# KiCad board impeller18.kicad_pcb (continued)
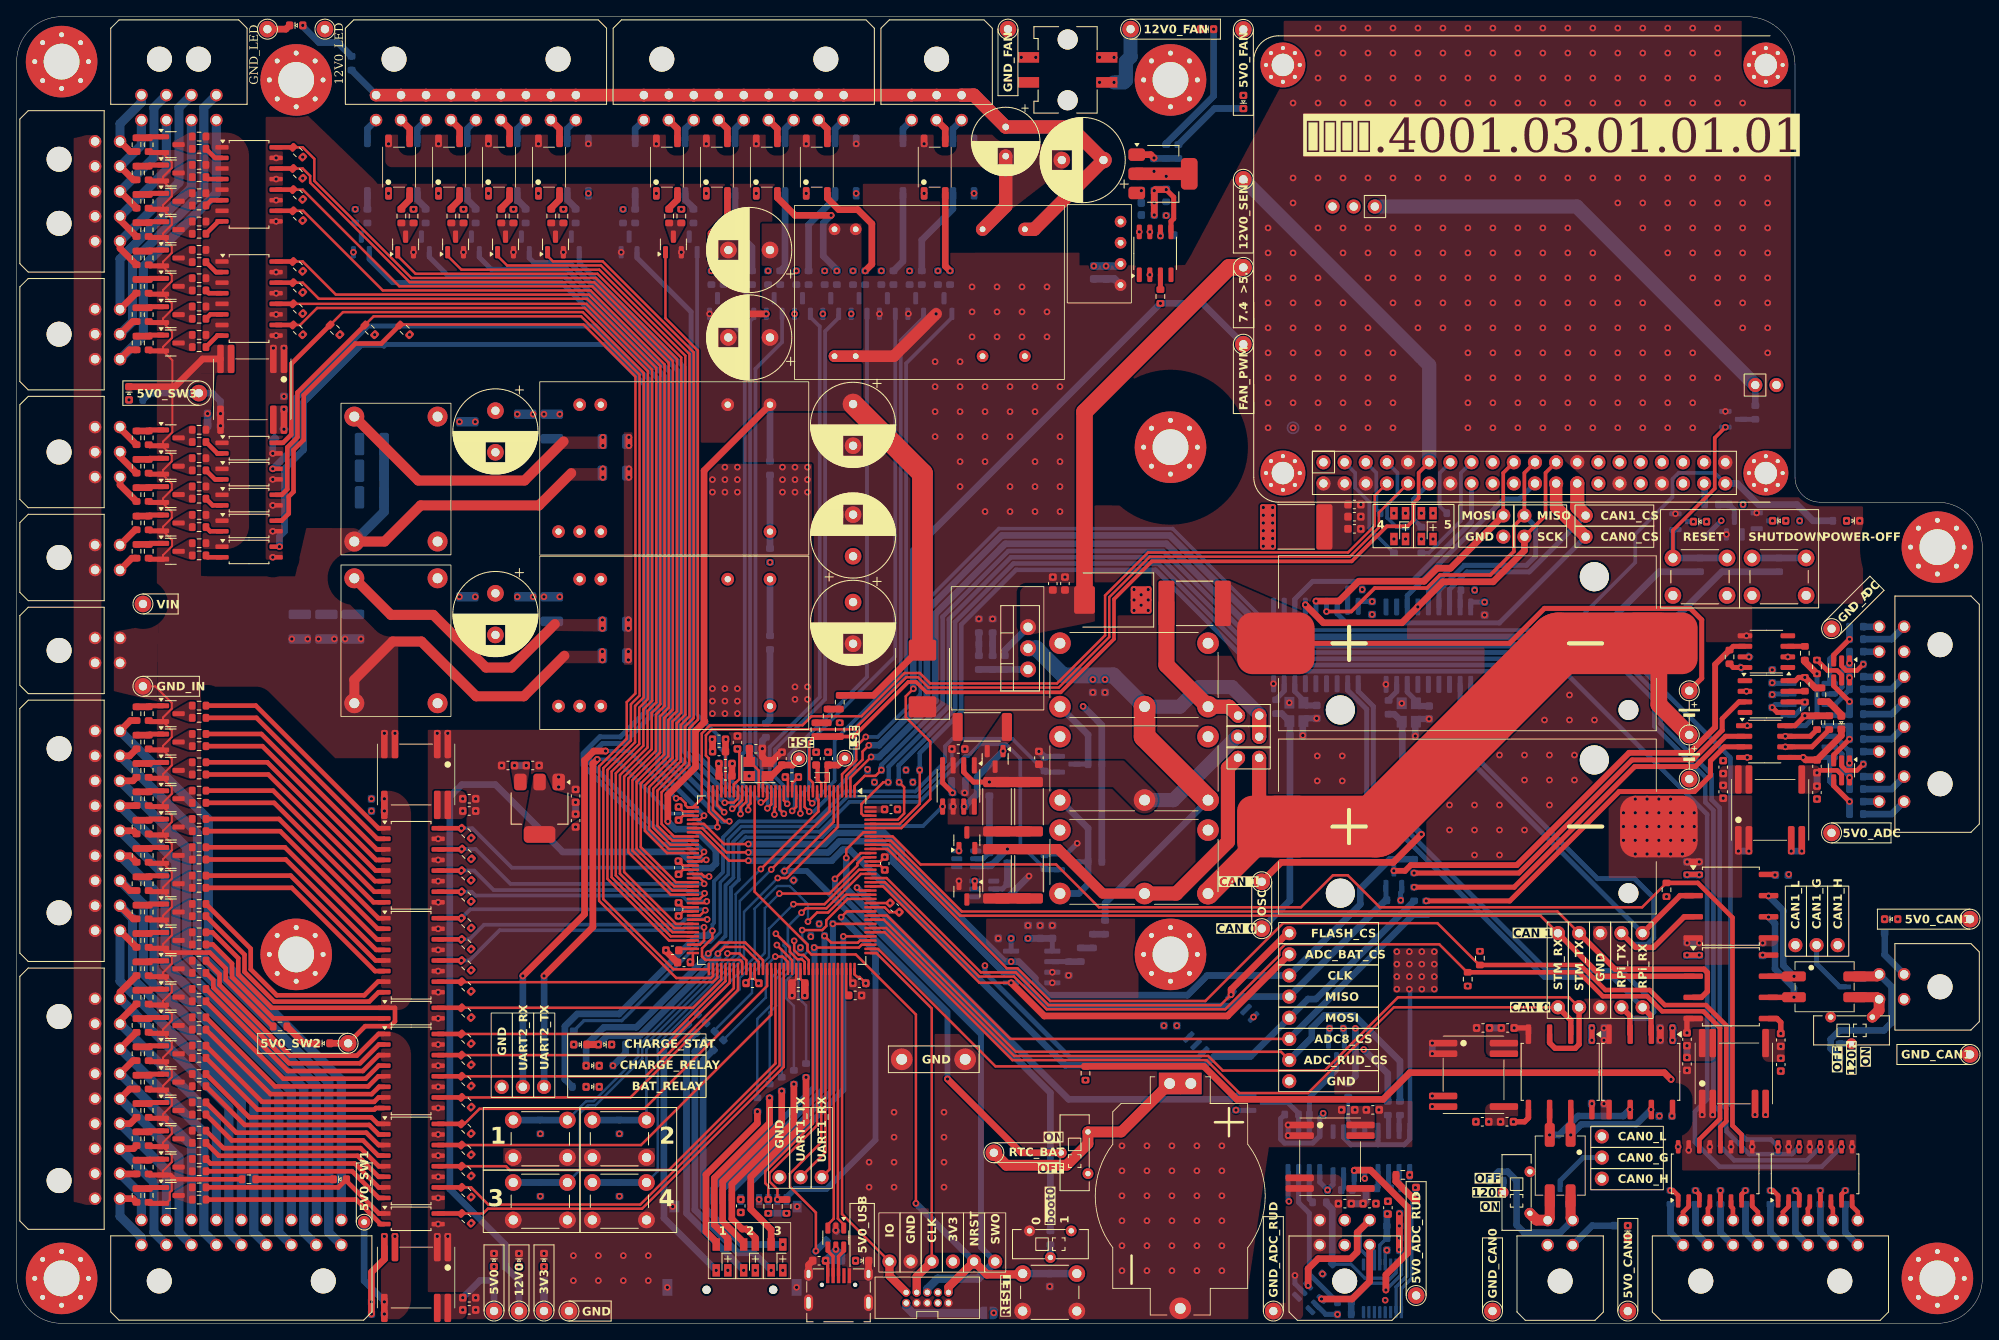
[diagram p0: board, top side]
## Library data of the parts (continued)
J7-J9 J35 J37 = -: Description: Generic connector, single row, 01x02, script generated (kicad-library-utils/schlib/autogen/connector/); ki_fp_filters: Connector*:*_1x??_*
J12 J15 = -: Description: Generic connector, single row, 01x05, script generated (kicad-library-utils/schlib/autogen/connector/); ki_fp_filters: Connector*:*_1x??_*
J17 = -: Datasheet: https://www.raspberrypi.org/documentation/hardware/raspberrypi/schematics/rpi_SCH_3bplus_1p0_reduced.pdf; Description: expansion header for Raspberry Pi 2 & 3; Мин. кол-во: 1; Ссылка: https://sinardcom.ru/product/raspberry-pi4b-8gb-rpi; Цена: 12500; Человекопонятное название: Одноплатный компьютер; ki_fp_filters: PinHeader*2x20*P2.54mm*Vertical* PinSocket*2x20*P2.54mm*Vertical*
J18-J20 J27 J28 = -: Description: Generic connector, double row, 02x09, odd/even pin numbering scheme (row 1 odd numbers, row 2 even numbers), script generated (kicad-library-utils/schlib/autogen/connector/); Мин. кол-во: 3; Ссылка: https://www.promelec.ru/product/474708/; Цена: 175; Человекопонятное название: Соединитель провод-плата HDR 18 контакт(ов) 3мм угловой серия Micro-Fit; ki_fp_filters: Connector*:*_2x??_*
J21 = -: Description: Generic connector, double row, 02x05, odd/even pin numbering scheme (row 1 odd numbers, row 2 even numbers), script generated (kicad-library-utils/schlib/autogen/connector/); Мин. кол-во: 7; Ссылка: https://www.promelec.ru/product/360135/; Цена: 82; Человекопонятное название: Прямоугольный разъем, Серия Micro-Fit 3.0 43045, 10 контакт(-ов); ki_fp_filters: Connector*:*_2x??_*
J22 = -: Description: Generic connector, double row, 02x04, odd/even pin numbering scheme (row 1 odd numbers, row 2 even numbers), script generated (kicad-library-utils/schlib/autogen/connector/); Мин. кол-во: 7; Ссылка: https://www.promelec.ru/product/362578/; Цена: 74; Человекопонятное название: Разъем типа провод-плата, 3 мм, 8 контакт(-ов); ki_fp_filters: Connector*:*_2x??_*
J23 J25 J26 = -: Description: Generic connector, double row, 02x03, odd/even pin numbering scheme (row 1 odd numbers, row 2 even numbers), script generated (kicad-library-utils/schlib/autogen/connector/); Мин. кол-во: 8; Ссылка: https://www.promelec.ru/product/355066/; Цена: 68; Человекопонятное название: Разъем типа провод-плата, 3 мм, 6 контакт(-ов); ki_fp_filters: Connector*:*_2x??_*
J29 J31 = -: Description: Generic connector, double row, 02x08, odd/even pin numbering scheme (row 1 odd numbers, row 2 even numbers), script generated (kicad-library-utils/schlib/autogen/connector/); Мин. кол-во: 3; Ссылка: https://www.promelec.ru/product/362588/; Цена: 197; Человекопонятное название: Прямоугольный разъем, Серия Micro-Fit 3.0 43045, 16 контакт(-ов); ki_fp_filters: Connector*:*_2x??_*
J30 = -: Description: Generic connector, double row, 02x03, counter clockwise pin numbering scheme (similar to DIP package numbering), script generated (kicad-library-utils/schlib/autogen/connector/); Мин. кол-во: 8; Ссылка: https://www.promelec.ru/product/355066/; Цена: 68; Человекопонятное название: Разъем типа провод-плата, 3 мм, 6 контакт(-ов); ki_fp_filters: Connector*:*_2x??_*
J32 = -: Datasheet: https://datasheet.lcsc.com/lcsc/2110151630_XKB-Connectivity-XKTF-015-N_C381082.pdf; ki_fp_filters: microSD*
J33 = -: ki_fp_filters: USB*
J34 = -: Description: Generic connector, double row, 02x02, counter clockwise pin numbering scheme (similar to DIP package numbering), script generated (kicad-library-utils/schlib/autogen/connector/); Мин. кол-во: 6; Ссылка: https://www.promelec.ru/product/474679/; Цена: 87; Человекопонятное название: Разъем типа провод-плата, 3 мм, 4 контакт(-ов); ki_fp_filters: Connector*:*_2x??_*
J38 = -: Description: Generic connector, single row, 01x04, script generated (kicad-library-utils/schlib/autogen/connector/); ki_fp_filters: Connector*:*_1x??_*
JP1 = -: Description: Solder Jumper, 2-pole, open; ki_fp_filters: SolderJumper*Open*
K1-K3 = -: Datasheet: https://www.promelec.ru/fs/sources/8d/9f/bd/db/6ff86c025ca1d2ea4097fa8d.pdf; Description: Monostable Relay SPDT, EN50005; Мин. кол-во: 2; Ссылка: https://www.promelec.ru/product/320571/; Цена: 280; Человекопонятное название: Силовое реле; ki_fp_filters: Relay?SPDT*
L1 L2 = -: Ссылка: https://www.chipdip.ru/product/b82721-k2222-u30-2x1000; Цена: 380; Человекопонятное название: Дроссель подавления ЭМП; Мин. кол-во: 1; ki_fp_filters: Choke_* *Coil* Inductor_* L_*
L3 L4 = -: Ссылка: https://www.promelec.ru/product/73838/; Цена: 86; Человекопонятное название: Дроссель для подавления асимметричной интерференции; Мин. кол-во: 6; ki_fp_filters: Choke_* *Coil* Inductor_* L_*
L5 = -: Description: Inductor, small symbol; Мин. кол-во: 5; Ссылка: https://www.chipdip.ru/product/lqw18an27ng; Цена: 20; Человекопонятное название: Индуктивность SMD; ki_fp_filters: Choke_* *Coil* Inductor_* L_*
Q1 Q2 Q58-Q60 = -: Datasheet: https://www.onsemi.com/pub/Collateral/BSS138-D.PDF; Ссылка: https://www.promelec.ru/product/303635/; Цена: 14; Человекопонятное название: Транзистор полевой N-канальный; Мин. кол-во: 38; ki_fp_filters: SOT?23*
Q3 = -: Description: -0.13A Id, -50V Vds, P-Channel MOSFET, SOT-23; Мин. кол-во: 2; Ссылка: https://www.promelec.ru/product/517727/; Цена: 5; Человекопонятное название: Транзистор полевой P-канальный; ki_fp_filters: SOT?23*
Q4-Q57 Q61 Q62 Q64 Q66 = -: Datasheet: https://www.onsemi.com/pub/Collateral/BSS138-D.PDF; Description: 50V Vds, 0.22A Id, N-Channel MOSFET, SOT-23; Мин. кол-во: 38; Ссылка: https://www.promelec.ru/product/303635/; Цена: 14; Человекопонятное название: Транзистор полевой N-канальный; ki_fp_filters: SOT?23*
R1-R5 R319-R324 R333 R334 = -: Мин. кол-во: 1000; Ссылка: https://www.promelec.ru/product/344748/; Цена: 1; Человекопонятное название: Толстопленочный ЧИП-резистор 0603 10кОм; ki_fp_filters: R_*
R6 R7 R11 R14 = -: Description: Resistor, small symbol; ki_fp_filters: R_*
R8 R42 R46 R59 R60 R69 R70 R79 R80 R89 R90 R99 R100 R109 R110 R119 R120 R129 R130 R139 R140 R143 R144 R148 R153 R158 R163 R168 R169 R174 R179 R184 R189 R194 R199 R204 R209 R254 R283 R295 R298 R339 R342 = -: Description: Resistor, small symbol; Мин. кол-во: 100; Ссылка: https://www.promelec.ru/product/46471/; Цена: 1; Человекопонятное название: Толстопленочный ЧИП-резистор 0603 360Ом; ki_fp_filters: R_*
R9 R212 R215 R217 R218 R221 R223 R224 R227 R229 R230 R232 R234 R236 R238 R240 R242 R244 R246 R248 R250 R252 R337 R340 R341 R344 R345 R350 = -: Description: Resistor, small symbol; Мин. кол-во: 100; Ссылка: https://www.promelec.ru/product/46446/; Цена: 1; Человекопонятное название: Толстопленочный ЧИП-резистор 0603 220Ом; ki_fp_filters: R_*
R10 R27 R28 R253 R282 R338 = -: Description: Resistor, small symbol; Мин. кол-во: 100; Ссылка: https://www.promelec.ru/product/109567/; Цена: 1; Человекопонятное название: Толстопленочный ЧИП-резистор 0603 470Ом; ki_fp_filters: R_*
R12 R13 R15 R16 R30 R32 R34 R37 R280 R281 R293 R294 R296 R297 R343 R349 R354 = -: Ссылка: https://www.promelec.ru/product/344748/; Цена: 1; Человекопонятное название: Толстопленочный ЧИП-резистор 0603 10кОм; Мин. кол-во: 1000; ki_fp_filters: R_*
R17 R23 R347 R353 = -: Description: Resistor, small symbol; Ссылка: https://www.promelec.ru/product/57782/; Цена: 1; Человекопонятное название: Толстопленочный ЧИП-резистор 0603 100Ом; ki_fp_filters: R_*
R18 R19 R25 R26 = -: Description: Resistor, small symbol; Ссылка: https://www.promelec.ru/product/57521/; Мин. кол-во: 200; Цена: 4; Человекопонятное название: Толстопленочный ЧИП-резистор 2512 130Ом; ki_fp_filters: R_*
R20 = -: Description: Resistor, small symbol; Мин. кол-во: 100; Ссылка: https://www.promelec.ru/product/23443/; Цена: 1; Человекопонятное название: Толстопленочный ЧИП-резистор 2512 0.62Ом; ki_fp_filters: R_*
R21 R255-R258 R284-R288 = -: Description: Resistor, small symbol; Мин. кол-во: 100; Ссылка: https://www.promelec.ru/product/22771/; Цена: 1; Человекопонятное название: Толстопленочный ЧИП-резистор 0603 1кОм; ki_fp_filters: R_*
R22 R24 R41 R45 R57 R58 R64 R66-R68 R74 R76-R78 R84 R86-R88 R94 R96-R98 R104 R106-R108 R114 R116-R118 R124 R126-R128 R134 R136-R138 R141 R142 R147 R151 R152 R156 R157 R161 R162 R166 R167 R172 R173 R177 R178 R182 R183 R185 R188 R192 R193 R195 R198 R202 R203 R207 R208 R210 R211 R213 R214 R216 R219 R220 R222 R225 R226 R228 R231 R233 R235 R237 R239 R241 R243 R245 R247 R249 R251 R259 R279 R289 R300 R302 R304 R306 R308 R310 R312 R314 R335 R336 = -: Description: Resistor, small symbol; Мин. кол-во: 1000; Ссылка: https://www.promelec.ru/product/344748/; Цена: 1; Человекопонятное название: Толстопленочный ЧИП-резистор 0603 10кОм; ki_fp_filters: R_*
R29 R39 R43 = -: Description: Resistor, small symbol; Мин. кол-во: 100; Ссылка: https://www.promelec.ru/product/23378/; Цена: 1; Человекопонятное название: Толстопленочный ЧИП-резистор 0603 120Ом; ki_fp_filters: R_*
R31 R299 R301 R303 R305 R307 R309 R311 R313 R346 = -: Description: Resistor, small symbol; Мин. кол-во: 100; Ссылка: https://www.promelec.ru/product/15311/; Цена: 1; Человекопонятное название: Толстопленочный ЧИП-резистор 0603 390Ом; ki_fp_filters: R_*
R33 R35 R36 R38 R53 R54 R61 R62 R71 R72 R81 R82 R91 R92 R101 R102 R111 R112 R121 R122 R131 R132 R145 R149 R154 R159 R164 R170 R175 R180 R186 R190 R196 R200 R205 R263-R270 = -: Description: Resistor, small symbol; Мин. кол-во: 100; Ссылка: https://www.promelec.ru/product/22010/; Цена: 1; Человекопонятное название: Толстопленочный ЧИП-резистор 0603 1МОм; ki_fp_filters: R_*
R40 R44 = -: Description: Resistor, small symbol; Мин. кол-во: 100; Ссылка: https://www.promelec.ru/product/22798/; Цена: 1; Человекопонятное название: Толстопленочный ЧИП-резистор 0603 0Ом; ki_fp_filters: R_*
R47-R52 R315-R318 R325-R327 R329 R331 = -: Description: Resistor; Мин. кол-во: 100; Ссылка: https://www.promelec.ru/product/46446/; Цена: 1; Человекопонятное название: Толстопленочный ЧИП-резистор 0603 220Ом; ki_fp_filters: R_*
R55 R56 R63 R65 R73 R75 R83 R85 R93 R95 R103 R105 R113 R115 R123 R125 R133 R135 R146 R150 R155 R160 R165 R171 R176 R181 R187 R191 R197 R201 R206 = -: Description: Resistor, small symbol; Мин. кол-во: 100; Ссылка: https://www.promelec.ru/product/23650/; Цена: 1; Человекопонятное название: Толстопленочный ЧИП-резистор 0603 360кОм; ki_fp_filters: R_*
R260-R262 R290-R292 = -: Description: Resistor, small symbol; Мин. кол-во: 100; Ссылка: https://www.promelec.ru/product/108141/; Цена: 1; Человекопонятное название: Толстопленочный ЧИП-резистор 0603 180Ом; ki_fp_filters: R_*
R271-R278 = -: Description: Resistor, small symbol; Мин. кол-во: 100; Ссылка: https://www.promelec.ru/product/57740/; Цена: 1; Человекопонятное название: Толстопленочный ЧИП-резистор 0603 200кОм; ki_fp_filters: R_*
R348 R351 R352 = -: Description: Resistor, small symbol; Цена: 1; ki_fp_filters: R_*
SW1 SW4-SW7 SW11 SW13 = -: Мин. кол-во: 1; Ссылка: https://www.promelec.ru/product/430220/; Цена: 15; Человекопонятное название: Кнопка тактильная 6х6 h=7мм
SW2 SW3 SW8 SW9 = -: Description: Switch, single pole double throw
TP1-TP9 TP12-TP22 TP24-TP26 TP29 TP31-TP39 TP41 = -: Description: test point; ki_fp_filters: Pin* Test*
U1 = -: Datasheet: https://www.st.com/resource/en/datasheet/stm32f427zg.pdf; Description: STMicroelectronics Arm Cortex-M4 MCU, 1024KB flash, 256KB RAM, 180 MHz, 1.7-3.6V, 114 GPIO, LQFP144; Мин. кол-во: 1; Ссылка: https://www.promelec.ru/product/241424/; Цена: 726; Человекопонятное название: Микроконтроллер STM 32; ki_fp_filters: LQFP*20x20mm*P0.5mm*
U2 = -: Datasheet: http://www.st.com/st-web-ui/static/active/en/resource/technical/document/datasheet/CD00000544.pdf; Ссылка: https://www.promelec.ru/product/429209/; Цена: 21; Человекопонятное название: Линейный стабилизатор с низким падением напряжения положительной полярности; Мин. кол-во: 24; ki_fp_filters: SOT?223*TabPin2*
U3 = -: Datasheet: https://support.voltbricks.ru/datasheets/VDRI25.pdf?1714207424; Ссылка: https://voltbricks.nt-rt.ru/price/product/1132916; Цена: 3 947; Человекопонятное название: DC-DC преобразователи напряжения мощностью 25 Вт; Мин. кол-во: 1; ki_fp_filters: Converter*DCDC*TRACO*TMR*xxxx*
U4 = -: Datasheet: https://support.voltbricks.ru/datasheets/VDRI25.pdf?1714207424; Ссылка: https://voltbricks.nt-rt.ru/price/product/1132885; Цена: 3 045; Человекопонятное название: DC-DC преобразователи напряжения мощностью 15 Вт; Мин. кол-во: 1; ki_fp_filters: Converter*DCDC*TRACO*TMR*xxxx*
U5 U7 = -: Мин. кол-во: 34; Ссылка: https://www.promelec.ru/product/567920/; Цена: 15; Человекопонятное название: Контроллер-балансировщик Литий-ионной/Литий-полимерной батареи
U6 = -: Datasheet: https://static.chipdip.ru/lib/280/DOC012280628.pdf; Мин. кол-во: 1; Ссылка: https://www.chipdip.ru/product0/8002949902; Цена: 1230; Человекопонятное название: Драйвер батарейного питания
U8 = -: Datasheet: https://static.chipdip.ru/lib/477/DOC011477860.pdf; Description: Negative 1.5A 35V Adjustable Linear Regulator, TO-220; Мин. кол-во: 1; Ссылка: https://www.chipdip.ru/product/ld1084v; Цена: 330; Человекопонятное название: Регулятор с низким падением напряжения, с регулировкой выхода, 5А; ki_fp_filters: TO?220*
U9 = -: Мин. кол-во: 1; Ссылка: https://www.energoflot.ru/item/MCP3001-ISN; Цена: 285; Человекопонятное название: 10-ти разрядный АЦП
U10 U11 U14 U15 = -: Datasheet: http://www.ti.com/lit/ds/symlink/iso1050.pdf; Ссылка: https://energoflot.ru/item/ISO1050DUBR; Цена: 148; Человекопонятное название: CAN приемопередатчиком с гальванической развязкой; Мин. кол-во: 1; ki_fp_filters: SOP*6.62x9.15mm*P2.54mm*
U12 U16 = -: Datasheet: http://ww1.microchip.com/downloads/en/DeviceDoc/21801e.pdf; Description: Stand-Alone CAN Controller with SPI Interface, SOIC-18; Мин. кол-во: 1; Ссылка: https://www.mircomponents.ru/search?s=MCP2515-I%2FSO; Цена: 293; Человекопонятное название: CAN контроллер с SPI интерфейсом; ki_fp_filters: SOIC*7.5x11.6mm*P1.27mm*
U13 U17 U24 U25 U28 U56 U63 = -: Ссылка: https://www.chipdip.ru/product/b0505mt-1wr4; Цена: 230; Человекопонятное название: DC/DC преобразователь, 1Вт, вход 4.5-5.5В, выход 5В/200мА; Мин. кол-во: 1; ki_fp_filters: SOP*6.62x9.15mm*P2.54mm*
U18-U21 U26 U27 U69 U70 = -: Datasheet: https://toshiba.semicon-storage.com/info/docget.jsp?did=12858&prodName=TLP291-4; Description: Quad DC Optocoupler, Vce 80V, CTR 50-100%, SOP16; Мин. кол-во: 7; Ссылка: https://www.promelec.ru/product/247137/; Цена: 76; Человекопонятное название: Оптопара с транзисторным выходом 4-х канальная; ki_fp_filters: SOIC*4.55x10.3mm*P1.27mm*
U22 U23 U29-U33 = -: Datasheet: https://toshiba.semicon-storage.com/info/docget.jsp?did=12884&prodName=TLP291; Ссылка: https://www.promelec.ru/product/247129/; Цена: 17; Человекопонятное название: Оптопара с транзисторным выходом; Мин. кол-во: 31; ki_fp_filters: SOIC*4.55x2.6mm*P1.27mm*
U34-U54 = -: Мин. кол-во: 5; Ссылка: https://www.promelec.ru/product/423382/; Цена: 112; Человекопонятное название: Реле твердотельное; ki_fp_filters: SO*4.4x4.3mm*P2.54mm*
U55 = -: Datasheet: https://static.chipdip.ru/lib/409/DOC016409570.pdf; Мин. кол-во: 1; Ссылка: https://www.chipdip.ru/product/scwn06a-12; Цена: 1020; Человекопонятное название: DC/DC преобразователь, 6Вт, вход 9-18В, выход 12В/500мА
U57 U61 U64 U73 = -: Datasheet: https://docs.broadcom.com/docs/AV02-0940EN; Description: Single High Speed LSTTL/TTL Compatible Optocoupler with enable, dV/dt 5000/us, VCM 1000, max 7V VCC, SOIC-8; Мин. кол-во: 1; Ссылка: https://energoflot.ru/item/HCPL-0600-500E; Цена: 133; Человекопонятное название: Быстродействующая оптопара; ki_fp_filters: SOIC*3.9x4.9mm?P1.27mm*
U58 = -: Datasheet: http://ww1.microchip.com/downloads/en/DeviceDoc/21295d.pdf; Description: A/D Converter, 10-Bit, 8-Channel, SPI Interface , 2.7V-5.5V; Мин. кол-во: 1; Ссылка: https://energoflot.ru/item/MCP3008T-ISL; Цена: 318; Человекопонятное название: Аналого-цифровые преобразователи (АЦП) 10-bit; ki_fp_filters: DIP*W7.62mm* SOIC*3.9x9.9mm*P1.27mm*
U59 U66 U68 = -: Datasheet: https://docs.broadcom.com/docs/AV02-0940EN; Description: Dual High Speed LSTTL/TTL Compatible Optocoupler, dV/dt 5000/us, VCM 1000, max 7V VCC, SOIC-8; Мин. кол-во: 1; Ссылка: https://energoflot.ru/item/HCPL-0630-500E; Цена: 229; Человекопонятное название: Быстродействующая оптопара; ki_fp_filters: SOIC*3.9x4.9mm?P1.27mm*
U60 U62 U67 = -: Мин. кол-во: 1; Ссылка: https://www.chipdip.ru/product/ip4220cz6; Цена: 11; Человекопонятное название: Защитная ИС
U65 = -: Datasheet: http://www.ti.com/lit/ds/symlink/ads1120.pdf; Description: Low-power, quad-input, 16-bit analog to digital converter, integrated temperature sensor, SPI interface, TSSOP-16 package; Мин. кол-во: 1; Ссылка: https://energoflot.ru/item/ADS1120IPWR; Цена: 624; Человекопонятное название: АЦП конвертер 16-ти разрядный маломощный малошумящий; ki_fp_filters: *TSSOP*4.4x5mm*P0.65mm*
U71 = -: Datasheet: http://www.winbond.com/resource-files/w25q32jv%20revg%2003272018%20plus.pdf; Description: 32Mb Serial Flash Memory, Standard/Dual/Quad SPI, SOIC-8; Мин. кол-во: 2; Ссылка: https://www.promelec.ru/product/342088/; Цена: 127; Человекопонятное название: Флэш-память; ki_fp_filters: SOIC*5.23x5.23mm*P1.27mm*
U72 = -: Datasheet: https://www.st.com/resource/en/datasheet/usblc6-2.pdf; Мин. кол-во: 1; Ссылка: https://www.promelec.ru/product/128262/; Цена: 13; Человекопонятное название: Защита интерфейса USB от электростатических разрядов; ki_fp_filters: SOT?23*
U74 = -: Datasheet: http://www.st.com/st-web-ui/static/active/en/resource/technical/document/datasheet/CD00000544.pdf; Ссылка: https://www.promelec.ru/product/429208/; Цена: 37; Человекопонятное название: Линейный стабилизатор с низким падением напряжения положительной полярности; Мин. кол-во: 14; ki_fp_filters: SOT?223*TabPin2*
U75 = -: Мин. кол-во: 2; Ссылка: https://www.promelec.ru/product/371234/; Цена: 458; Человекопонятное название: Преобразователь DC/DC, на печатную плату, 2 Вт
Y1 = -: Мин. кол-во: 1; Ссылка: https://energoflot.ru/item/X322516MLB4SI; Цена: 5; Человекопонятное название: Резонатор кварцевый smd; ki_fp_filters: Crystal*
Y2 = -: Ссылка: https://www.chipdip.ru/product0/8022143960; Цена: 36; Человекопонятное название: SMD-резонатор; Мин. кол-во: 1; ki_fp_filters: Crystal*
Y3 Y4 = -: Description: Four pin crystal, GND on pins 2 and 4, small symbol; Мин. кол-во: 1; Ссылка: https://energoflot.ru/item/X322516MLB4SI; Цена: 5; Человекопонятное название: Резонатор кварцевый smd; ki_fp_filters: Crystal*

## Footprints (pads in the part's own frame, mm; a bottom-side part is the same pattern mirrored in y, then rotated)
1393219-3
  round 2.6 hole 1.3: 11(0,-7.62) 12(7.62,0) 14(7.62,-7.62) A1(-10.16,-7.62) A2(-10.16,0)
430450400
  round 3 hole 3 unplated: (1.5,4.32)
  round 1.5 hole 1.02: 1(0,0) 2(3,0) 3(0,-3) 4(3,-3)
430450415
  round 2.41 hole 2.41 unplated: (-3.65,0) (3.65,0)
  rect 1.27x2.54 smd: 1(-1.5,4.7) 2(1.5,4.7) 3(-1.5,-4.7) 4(1.5,-4.7)
430450600
  round 3 hole 3 unplated: (3,4.32)
  round 1.5 hole 1.02: 1(0,0) 2(3,0) 3(6,0) 4(0,-3) 5(3,-3) 6(6,-3)
430450800
  round 3 hole 3 unplated: (2.16,4.32) (6.86,4.32)
  round 1.5 hole 1.02: 1(0,0) 2(3,0) 3(6,0) 4(9,0) 5(0,-3) 6(3,-3) 7(6,-3) 8(9,-3)
430451000
  round 3 hole 3 unplated: (2.16,4.32) (9.86,4.32)
  round 1.5 hole 1.02: 1(0,0) 2(3,0) 3(6,0) 4(9,0) 5(12,0) 6(0,-3) 7(3,-3) 8(6,-3) 9(9,-3) 10(12,-3)
430451600
  round 3 hole 3 unplated: (2.16,4.32) (18.86,4.32)
  round 1.5 hole 1.02: 1(0,0) 2(3,0) 3(6,0) 4(9,0) 5(12,0) 6(15,0) 7(18,0) 8(21,0) 9(0,-3) 10(3,-3) 11(6,-3) 12(9,-3) 13(12,-3) 14(15,-3) 15(18,-3) 16(21,-3)
430451800
  round 3 hole 3 unplated: (2.16,4.32) (21.86,4.32)
  round 1.5 hole 1.02: 1(0,0) 2(3,0) 3(6,0) 4(9,0) 5(12,0) 6(15,0) 7(18,0) 8(21,0) 9(24,0) 10(0,-3) 11(3,-3) 12(6,-3) 13(9,-3) 14(12,-3) 15(15,-3) 16(18,-3) 17(21,-3) 18(24,-3)
B0505MT-1WR4
  rrect 0.8x3.4 smd: 1(-3.81,-3.65) 2(-2.54,-3.65) 6(2.54,-3.65) 7(3.81,-3.65) 8(3.81,3.65) 13(-2.54,3.65) 14(-3.81,3.65)
B82721-K2222-U30
  round 2.4 hole 1.2: 1(-7.5,5) 2(7.5,5) 3(7.5,-5) 4(-7.5,-5)
B82790C0513N201
  rrect 2.85x1.2 smd: 1(-3.675,1.25) 2(3.675,1.25) 3(3.675,-1.25) 4(-3.675,-1.25)
bat_18350
  round 3.5 hole 3.5 unplated: (-15.25,-8) (15.25,8)
  round 2.4 hole 2.4 unplated: (19.35,-8)
  rrect 9.3x7.4 smd: 1(-23,0) 2(23,0)
C_0603_1608Metric
  rrect 0.9x0.95 smd: 1(-0.775,0) 2(0.775,0)
C_1206_3216Metric
  rrect 1.15x1.8 smd: 1(-1.475,0) 2(1.475,0)
C_1210_3225Metric
  rrect 1.15x2.7 smd: 1(-1.475,0) 2(1.475,0)
CP_Radial_D8.0mm_P3.50mm
  round 1.6 hole 0.8: 1(0,0) 2(3.5,0)
CP_Radial_D10.0mm_P5.00mm
  round 2 hole 1: 1(0,0) 2(5,0)
CP_Radial_D10.0mm_P5.00mm#2
  oval 2x2 hole 1: 1(0,0)
  round 2 hole 1: 2(5,0)
Crystal_SMD_3225-4Pin_3.2x2.5mm
  rect 1.4x1.2 smd: 1(-1.1,-0.85) 2(1.1,-0.85) 3(1.1,0.85) 4(-1.1,0.85)
D_SMC
  rrect 2.5x3.3 smd: 1(-3.4,0) 2(3.4,0)
DS1092-07-W6L
  rect 2.6x2.6 hole 1.3: 1(13.5,1.27) 1(13.5,-1.27)
  round 2.6 hole 1.3: 2(-13.5,0)
Fuse_2920_7451Metric
  rrect 1.925x5.45 smd: 1(-3.388,0) 2(3.388,0)
G3VM-61VY2TR
  rrect 1.5x0.8 smd: 1(-3.15,1.27) 2(-3.15,-1.27) 3(3.15,-1.27) 4(3.15,1.27)
ISO1050DUB
  rrect 2.35x0.65 smd: 1(-4.525,3.81) 2(-4.525,1.27) 3(-4.525,-1.27) 4(-4.525,-3.81) 5(4.525,-3.81) 6(4.525,-1.27) 7(4.525,1.27) 8(4.525,3.81)
KSE-7K32768KDY2400A3
  rrect 0.5x1 smd: 1(-0.55,0) 2(0.55,0)
LED_0603_1608Metric
  rrect 0.875x0.95 smd: 1(-0.787,0) 2(0.787,0)
LED_RGB_promelec
  rect 1.5x0.9 smd: 1(1.55,-0.7) 2(-1.55,-0.7) 3(-1.55,0.7) 4(1.55,0.7)
LQFP-144_20x20mm_P0.5mm
  rrect 1.475x0.3 smd: 1(-10.662,8.75) 2(-10.662,8.25) 3(-10.662,7.75) 4(-10.662,7.25) 5(-10.662,6.75) 6(-10.662,6.25) 7(-10.662,5.75) 8(-10.662,5.25) 9(-10.662,4.75) 10(-10.662,4.25) 11(-10.662,3.75) 12(-10.662,3.25) 13(-10.662,2.75) 14(-10.662,2.25) 15(-10.662,1.75) 16(-10.662,1.25) 17(-10.662,0.75) 18(-10.662,0.25) 19(-10.662,-0.25) 20(-10.662,-0.75) 21(-10.662,-1.25) 22(-10.662,-1.75) 23(-10.662,-2.25) 24(-10.662,-2.75) 25(-10.662,-3.25) 26(-10.662,-3.75) 27(-10.662,-4.25) 28(-10.662,-4.75) 29(-10.662,-5.25) 30(-10.662,-5.75) 31(-10.662,-6.25) 32(-10.662,-6.75) 33(-10.662,-7.25) 34(-10.662,-7.75) 35(-10.662,-8.25) 36(-10.662,-8.75) 73(10.662,-8.75) 74(10.662,-8.25) 75(10.662,-7.75) 76(10.662,-7.25) 77(10.662,-6.75) 78(10.662,-6.25) 79(10.662,-5.75) 80(10.662,-5.25) 81(10.662,-4.75) 82(10.662,-4.25) 83(10.662,-3.75) 84(10.662,-3.25) 85(10.662,-2.75) 86(10.662,-2.25) 87(10.662,-1.75) 88(10.662,-1.25) 89(10.662,-0.75) 90(10.662,-0.25) 91(10.662,0.25) 92(10.662,0.75) 93(10.662,1.25) 94(10.662,1.75) 95(10.662,2.25) 96(10.662,2.75) 97(10.662,3.25) 98(10.662,3.75) 99(10.662,4.25) 100(10.662,4.75) 101(10.662,5.25) 102(10.662,5.75) 103(10.662,6.25) 104(10.662,6.75) 105(10.662,7.25) 106(10.662,7.75) 107(10.662,8.25) 108(10.662,8.75)